# Altium PCB BetaPCB.PcbDoc (part 2 of 2) (continued)
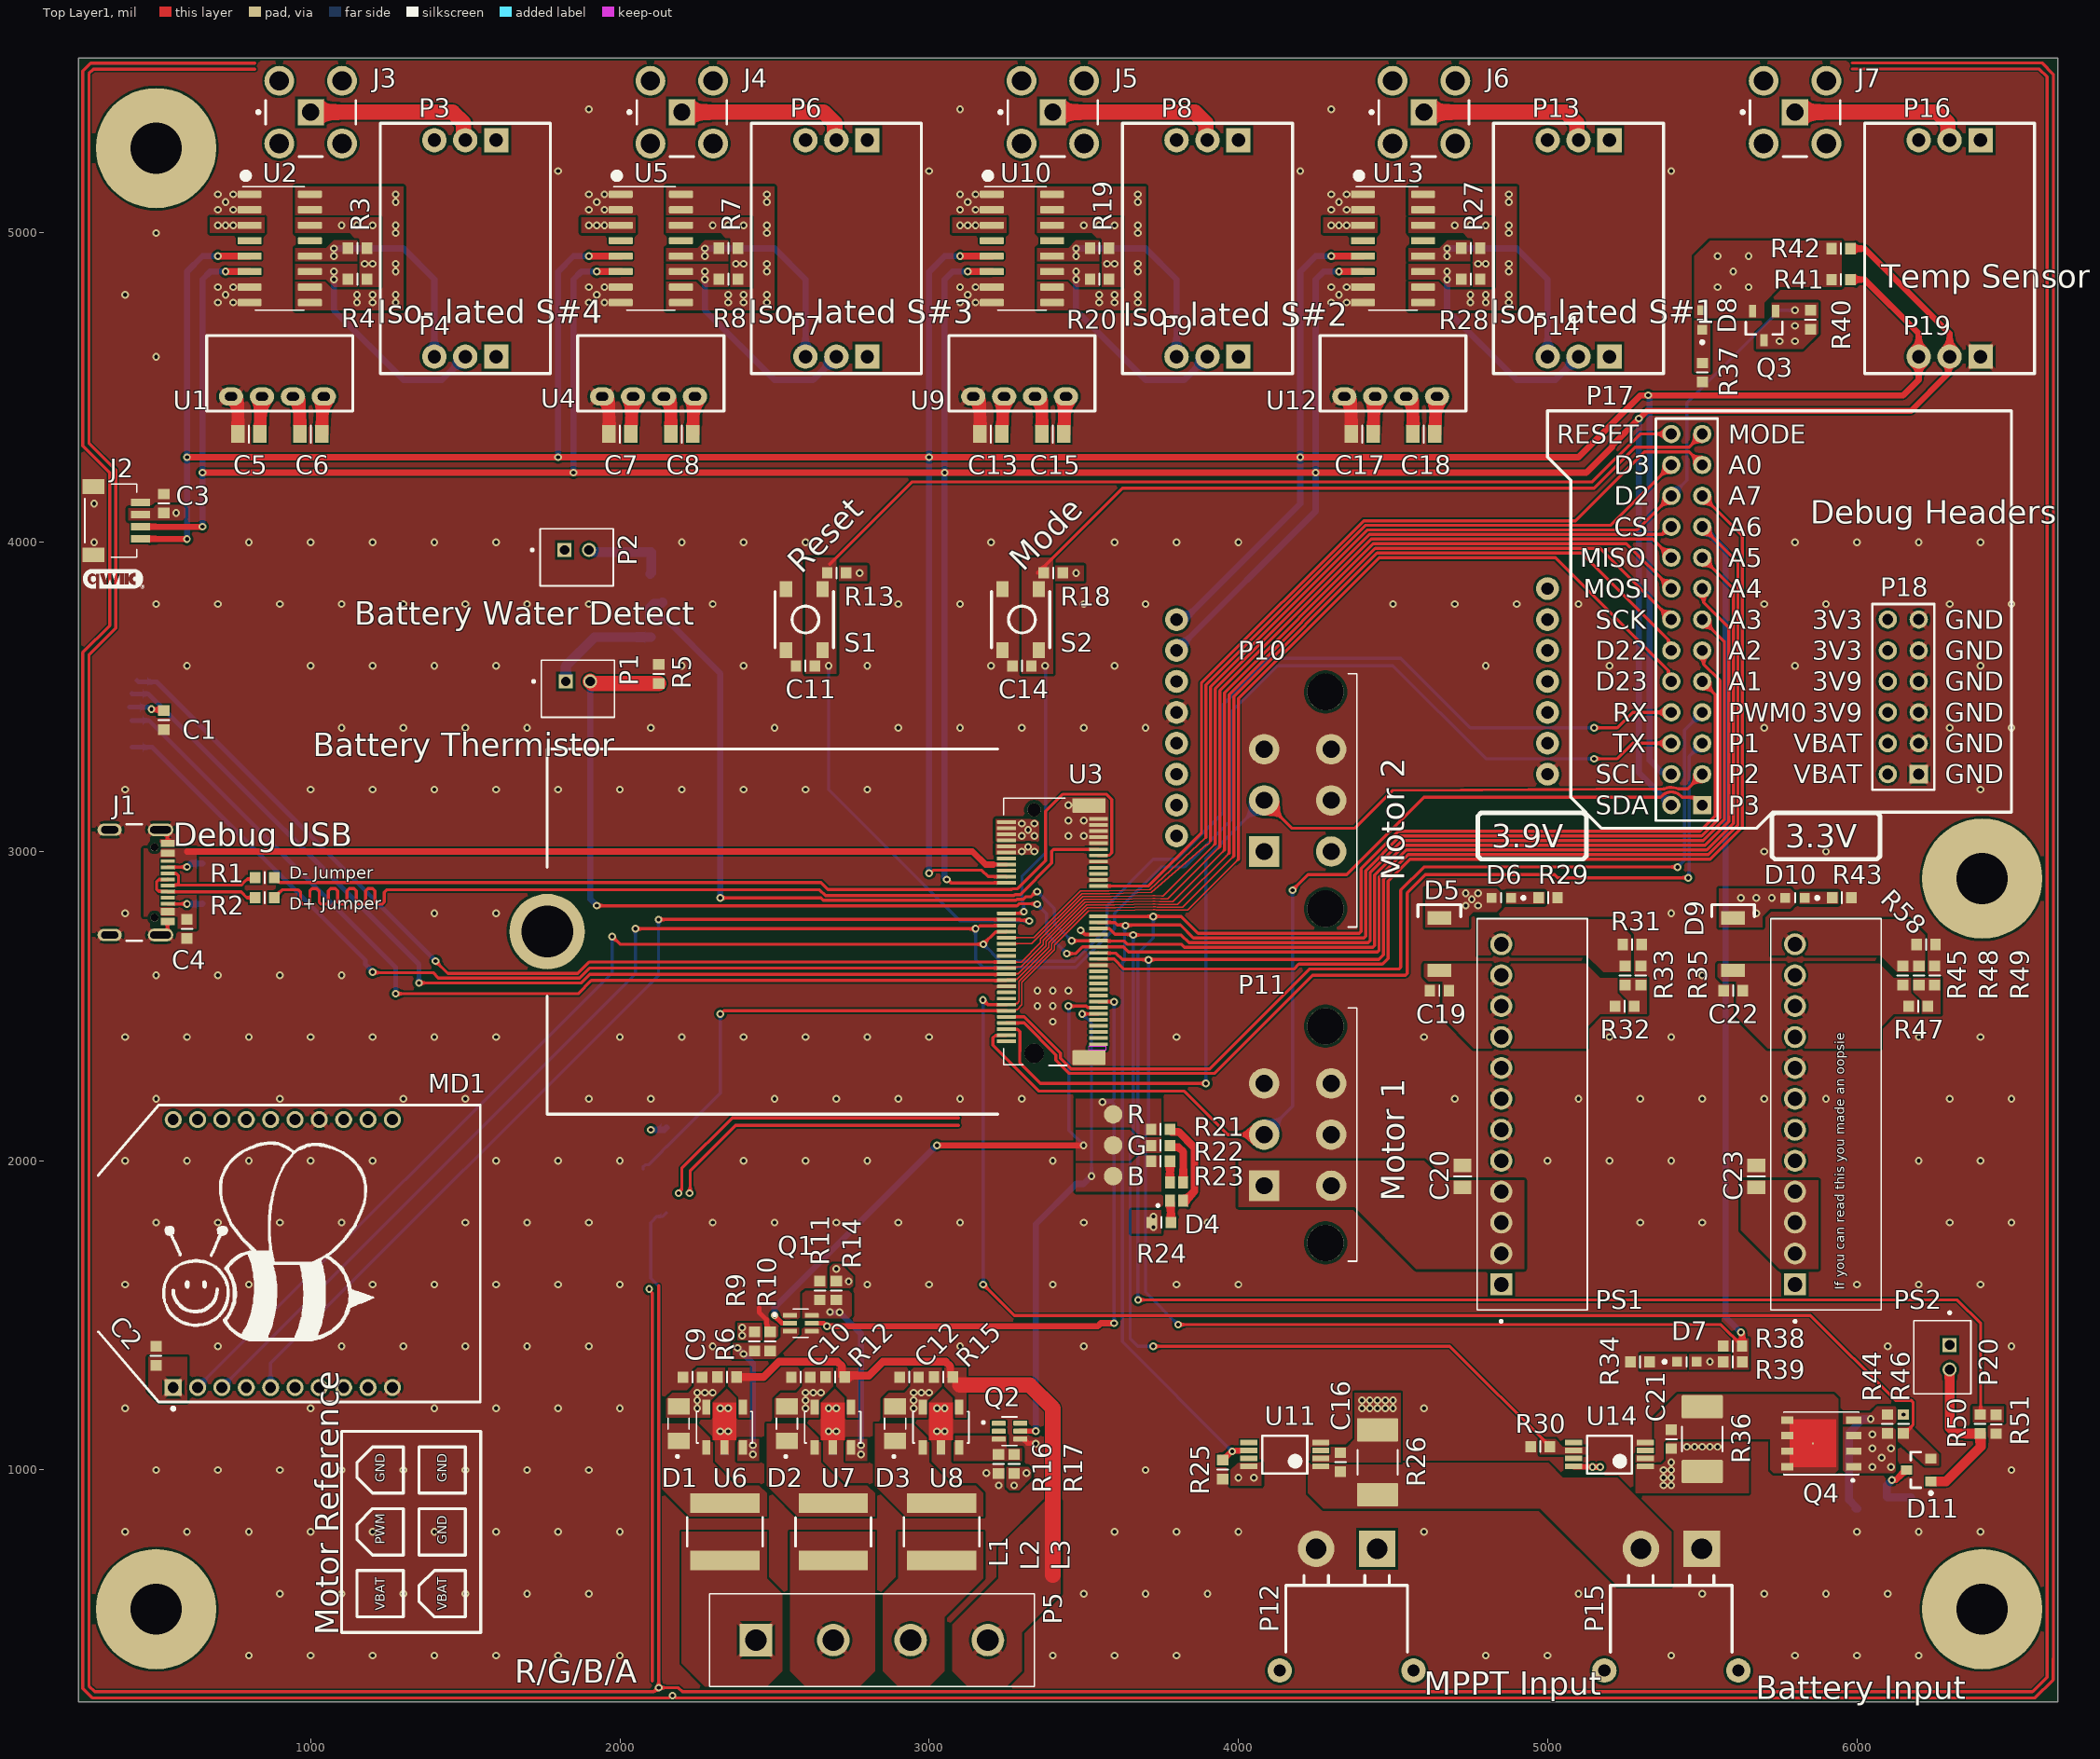
[diagram p0: Top Layer1 view]
## Nets (pads, with @x,y where several pads share a name; then routed paths per layer and width w, separated by ;. In a path a pad name is that pad's centre, name@x,y a point inside that pad or via, vN(x,y) a via of type N, cw(c..) or ccw(c..) an arc to the next point about the centre after c; other vN are vias at no path point) (continued)
SDA: J2.3 P17.2 P19.2 R42.1 U2.6 U3.22 U5.6 U10.6 U13.6 U15.2 | length 13444.3
  Top Layer1 w10: v1(3057.34,2909.2) 3060.05,2909.2 3070.83,2898.43 U3.22@3250,2898.43
  Top Layer1 w20: J2.3@450,4050 v1(650,4050) ; v1(650,4225) v1(1850,4225) v1(3050,4225) v1(4250,4225) 5125,4225 5209.52,4309.52 5209.52,4314.52 v1(5295,4400) 5296.35,4400 5321.35,4425 6175,4425 6295.95,4545.95 6295.95,4595.95 P19.2@6300,4600 6300,4675 6025.63,4949.37 R42.1@5979.45,4949.37
  Top Layer1 w23.23: v1(725,4875) U2.6@802.56,4875 ; v1(1925,4875) U5.6@2002.56,4875 ; v1(3125,4875) U10.6@3202.56,4875 ; v1(4325,4875) U13.6@4402.56,4875
  Bottom Layer4 w20: v1(650,4050) v1(650,4225) 650,4850 675,4875 v1(725,4875) ; v1(1850,4225) 1850,4850 1875,4875 v1(1925,4875) ; v1(3057.34,2909.2) 3050,2916.55 3050,4850 3075,4875 v1(3125,4875) ; U15.2@3800,3650 4250,4100 v1(4250,4225) 4250,4850 4275,4875 v1(4325,4875) ; v1(5295,4400) 5295,3255 P17.2@5400,3150
Solar_Converter: C16.2 P12.1 R26.1 U11.2
  other v1: 4400,1200 4425,1200 4450,1200 4475,1200 4500,1200 4400,1225 4425,1225 4450,1225 4475,1225 4500,1225
TEMP_PRB: J7.1 P16.2 | length 566.8
  Top Layer1 w50: J7.1@5800,5390.55 6259.45,5390.55 6294.5,5355.5 6294.5,5305.5 P16.2@6300,5300
TEMP_PRB_GND: J7.2 J7.3 J7.4 J7.5 P16.3
U_N: R1.2 U3.13 | length 3172.9
  Top Layer1 w10: R1.2@881.97,2915.63 881.97,2914.45 894.09,2902.32 897.63,2902.32 899.95,2900 2650,2900 2672.8,2877.2 3266.28,2877.2 3268.6,2879.52 3285.38,2879.52 3376.22,2970.36 3376.22,3129.82 3431.45,3185.05 3574.18,3185.05 3590.76,3168.47 3590.76,2995.92 3582.62,2987.79 3572.76,2987.79 3571.98,2987.01 U3.13@3547.24,2987.01
U_P: R2.2 U3.11 | length 3178.1
  Top Layer1 w10: R2.2@881.97,2850.63 881.97,2851.81 894.09,2863.94 895.28,2863.94 907.33,2875.99 925,2875.99 960,2875.99 967.5,2868.49 967.5,2836.95 975,2829.45 990,2829.45 997.5,2836.95 997.5,2872.49 1005,2879.99 1020,2879.99 1027.5,2872.49 1027.5,2836.95 1035,2829.45 1050,2829.45 1057.5,2836.95 1057.5,2872.49 1065,2879.99 1080,2879.99 1087.5,2872.49 1087.5,2836.95 1095,2829.45 1110,2829.45 1117.5,2836.95 1117.5,2872.49 1125,2879.99 1140,2879.99 1147.5,2872.49 1147.5,2836.95 1155,2829.45 1170,2829.45 1177.5,2836.95 1177.5,2872.49 1185,2879.99 1200,2879.99 1207.5,2872.49 1207.5,2836.95 1215,2829.45 1230,2829.45 1237.5,2836.95 1237.5,2868.49 1245,2875.99 1300.6,2875.99 2646.17,2875.99 2664.64,2857.52 3274.44,2857.52 3277.73,2860.82 3294.51,2860.82 3395.91,2962.21 3395.91,3000.84 3401.76,3006.69 U3.11@3547.24,3006.69
VBAT: C9.2 C10.2 C12.2 C20.2 C21.1 C23.2 D1.2 D2.2 D3.2 D7.2 P10.1 P10.2 P11.1 P11.2 P18.2 P18.4 PS1.2 PS1.3 PS1.4 PS2.2 PS2.3 PS2.4 R6.1 R12.1 R15.1 R36.1 R39.2 U6.5 U7.5 U8.5 U14.1
  other v1: 5375,950 5400,950 5375,975 5400,975 5375,1000 5400,1000 5400,1025 5450,1075 5475,1075 5500,1075 5525,1075 5550,1075 2250,1200 2600,1200 2950,1200 2250,1225 2600,1225 2950,1225 2250,1250 2275,1250 2300,1250 2600,1250 2625,1250 2650,1250 2950,1250 2975,1250 3000,1250 5525,1350
VSetB: Q2.3 R16.2 R17.1 U8.3
VSetG: Q1.6 R11.2 R14.1 U7.3 | length 519.5
  Bottom Layer4 w20: v1(2679.75,1510.56) 2680.31,1510 v1(2710,1510) 2780,1440 v1(2780,1080) v1(2780,1050)
VSetR: Q1.3 R9.1 R10.2 U6.3 | length 365.7
  Bottom Layer4 w20: v1(2380,1395) v1(2400,1375) 2430,1345 v1(2430,1050)
  other v1: 2430,1080
VUSB: C4.2 J1.A4_B9 J1.B4_A9 U3.16 | length 2670.1
  Top Layer1 w11.5: 3205,2957.48 U3.16@3250,2957.48
  Top Layer1 w20: 600,3000 3140,3000 3182.52,2957.48 3207.5,2957.48
pads on no net: J1. J1.A8 J1.B8 J8.1 J8.8 J8.9 J8.P1 J8.P2 J8.P3 J8.P4 MD1.4 MD1.6 MD1.7 MD1.8 MD1.9 MD1.11 MD1.12 MD1.13 MD1.15 MD1.16 MD1.17 MD1.18 MD1.19 MD1.20 P10. P11. P12.MECH P15.MECH PS1.1 PS2.1 Q2.1 Q2.2 Q2.6 U2.4 U2.13 U3. U3.14 U3.17 U3.18 U3.19 U3.44 U3.46 U3.51 U3.53 U3.55 U3.57 U3.58 U3.59 U3.60 U3.67 U3.69 U3.71 U3.73 U3.74 U3.75 U3.Mech U5.4 U5.13 U10.4 U10.13 U11.3 U11.5 U11.7 U13.4 U13.13 U14.3 U14.5 U14.7 U15.5 U15.6 U15.7 U15.8 U15.10 U15.12 U15.13 U15.14 U15.15

## Polygon pours and split planes (outlines as drawn)
GND on Inner Layer2 "GND_Plane" (solid, pour order 0): 5425,4475 5250,4300 700,4300 250,4300 250,250 6650,250 6650,5175 5425,5175
GND on Inner Layer2 "NONET_L01_P-001" (solid, pour order 165): 4400,4700 4450,4750 4450,5150 4425,5175 4250,5175 4250,4350 4150,4250 4400,4250
ISO_GND_1 on Inner Layer2 "NONET_L01_P-001" (solid, pour order 164): 4500,5075 4600,5175 5275,5175 5350,5100 5350,4500 5200,4350 4500,4350 4500,4675
GND on Inner Layer2 "NONET_L01_P-001" (solid, pour order 153): 3200,4700 3250,4750 3250,5150 3225,5175 3050,5175 3050,4350 2950,4250 3200,4250
ISO_GND_2 on Inner Layer2 "NONET_L01_P-001" (solid, pour order 152): 3300,5075 3400,5175 4075,5175 4150,5100 4150,4500 4000,4350 3300,4350 3300,4675
GND on Inner Layer2 "NONET_L01_P-001" (solid, pour order 141): 2000,4700 2050,4750 2050,5150 2025,5175 1850,5175 1850,4350 1750,4250 2000,4250
ISO_GND_3 on Inner Layer2 "NONET_L01_P-001" (solid, pour order 140): 2100,5075 2200,5175 2875,5175 2950,5100 2950,4500 2800,4350 2100,4350 2100,4675
GND on Inner Layer2 "NONET_L01_P-001" (solid, pour order 49): 800,4700 850,4750 850,5150 825,5175 650,5175 650,4350 550,4250 800,4250
ISO_GND_4 on Inner Layer2 "NONET_L01_P-001" (solid, pour order 46): 900,5075 1000,5175 1675,5175 1750,5100 1750,4500 1600,4350 900,4350 900,4675
TEMP_PRB_GND on Inner Layer2 "NONET_L01_P-001" (solid, pour order 179): 6481.24,5493.76 6400,5575 5625,5575 5556.24,5506.24 5556.24,5243.76 5597.37,5202.63 6431.24,5202.63 6481.24,5252.63
PRB_GND_1 on Inner Layer2 "NONET_L01_P-001" (solid, pour order 166): 5281.24,5493.76 5200,5575 4425,5575 4356.24,5506.24 4356.24,5243.76 4397.37,5202.63 5231.24,5202.63 5281.24,5252.63
PRB_GND_2 on Inner Layer2 "NONET_L01_P-001" (solid, pour order 154): 4081.24,5493.76 4000,5575 3225,5575 3156.24,5506.24 3156.24,5243.76 3197.37,5202.63 4031.24,5202.63 4081.24,5252.63
PRB_GND_3 on Inner Layer2 "NONET_L01_P-001" (solid, pour order 142): 2881.24,5493.76 2800,5575 2025,5575 1956.24,5506.24 1956.24,5243.76 1997.37,5202.63 2831.24,5202.63 2881.24,5252.63
PRB_GND_4 on Inner Layer2 "NONET_L01_P-001" (solid, pour order 53): 1681.24,5493.76 1600,5575 825,5575 756.24,5506.24 756.24,5243.76 797.37,5202.63 1631.24,5202.63 1681.24,5252.63
GND on Top Layer1 "NONET_L01_P-001" (solid, remove dead copper, pour order 202): 250,5575 6650,5575 6650,250 250,250
VUSB on Top Layer1 "NONET_L01_P-001" (solid, pour order 84): 630,2750 570,2750 570,2790 460,2790 460,3010 630,3010
Battery_VCC on Top Layer1 "NONET_L01_P-001" (solid, pour order 3): 5964.06,990 5955,999.18 5955,1140 6115,1140 6125,1130 6125,995.41 6119.59,990
NetQ4_4 on Top Layer1 "NONET_L01_P-001" (solid, pour order 4): 5955,1140 5955,1185 6045,1185 6065,1205 6130,1205 6130,1157.56 6112.44,1140
Batt_Curr_Sense on Top Layer1 "NONET_L01_P-001" (solid, pour order 85): 5940,1100 5940,1000 5930,990 5730,990 5720,1000 5720,1100 5385,1100 5375,1090 5375,1035 5365,1025 5285,1025 5285,1050 5345,1050 5345,1170 5420,1245 5925,1245 5940,1230
3V3 on Top Layer1 "NONET_L01_P-001" (solid, pour order 69): 600,1365 475,1365 475,1255 510,1220 600,1220
A3 on Top Layer1 "NONET_L01_P-001" (solid, pour order 190): 5125,1050 5125,1075 5050,1075 5025,1100 4975,1100 4975,1050
3V3 on Top Layer1 "NONET_L01_P-001" (solid, pour order 108): 4075,1025 4000,1025 3975,1000 3975,950 4075,950
VBAT on Top Layer1 "NONET_L01_P-001" (solid, pour order 105): 4000,2000 4000,1850 4375,1850 4575,1650 4800,1650 4800,1800 4600,2000
NetPS2_12 on Top Layer1 "NONET_L01_P-001" (solid, pour order 99): 6220,2610 6220,2730 6170,2780 5725,2780 5725,2665 6075,2665 6130,2610
NetC22_2 on Top Layer1 "NONET_L01_P-001" (solid, pour order 97): 6073,2637 6120,2590 6175,2590 6175,2542 6202,2515 6202,2475 6120,2475 6075,2430 6075,2363 5712,2363 5610,2465 5610,2580 5565,2580 5550,2595 5550,2635 5552,2637
NetPS1_12 on Top Layer1 "NONET_L01_P-001" (solid, pour order 96): 5270,2610 5270,2730 5220,2780 4775,2780 4775,2665 5125,2665 5180,2610
NetC19_2 on Top Layer1 "NONET_L01_P-001" (solid, pour order 94): 5123,2637 5170,2590 5225,2590 5225,2542 5252,2515 5252,2475 5170,2475 5125,2430 5125,2363 4762,2363 4660,2465 4660,2580 4615,2580 4600,2595 4600,2635 4602,2637
GND on Top Layer1 "NONET_L01_P-001" (solid, pour order 92): 5875,1963 5875,2337 5725,2337 5725,2125 5625,2025 5625,1963
GND on Top Layer1 "NONET_L01_P-001" (solid, pour order 89): 4925,1963 4925,2337 4775,2337 4775,2125 4675,2025 4675,1963
VBAT on Top Layer1 "NONET_L01_P-001" (solid, pour order 88): 5875,1937 5625,1937 5625,1775 5750,1650 5875,1650
VBAT on Top Layer1 "NONET_L01_P-001" (solid, pour order 87): 4650,1937 4650,1800 4800,1650 4925,1650 4925,1937
VBAT on Top Layer1 "NONET_L01_P-001" (solid, pour order 86): 5650,925 5650,1100 5375,1100 5375,1025 5285,1025 5285,925
LED_Anode on Top Layer1 "NONET_L01_P-001" (solid, pour order 60): 3375,900 3425,900 3425,600 3300,475 3300,350 3250,300 3125,300 3075,350 3075,500 3225,650 3225,750
Battery_VCC on Top Layer1 "NONET_L01_P-001" (solid, pour order 59): 4225,925 4275,875 4975,875 5225,625 5400,625 5400,800 5225,975 5050,975 5002,1023 4225,1023
VBAT on Top Layer1 "NONET_L01_P-001" (solid, pour order 56): 2220,1250 2240,1270 2240,1320 2250,1330 2340,1330 2340,1270 2293,1223 2293,1170 2150,1170 2150,1230 2170,1250
VBAT on Top Layer1 "NONET_L01_P-001" (solid, pour order 55): 2920,1250 2940,1270 2940,1320 2950,1330 3040,1330 3040,1270 2993,1223 2993,1170 2850,1170 2850,1230 2870,1250
VBAT on Top Layer1 "NONET_L01_P-001" (solid, pour order 36): 2570,1250 2590,1270 2590,1321.54 2598.46,1330 2690,1330 2690,1270 2643,1223 2643,1170 2500,1170 2500,1230 2520,1250
LED_Anode on Top Layer1 "NONET_L01_P-001" (solid, pour order 35): 3084,1170 3120,1170 3120,1330 3049.83,1330 3049.83,1270.17 3084,1236
LED_Anode on Top Layer1 "NONET_L01_P-001" (solid, pour order 34): 2734,1170 2770,1170 2770,1330 2699.83,1330 2699.83,1270.17 2734,1236
LED_Anode on Top Layer1 "NONET_L01_P-001" (solid, pour order 32): 2384,1170 2420,1170 2420,1330 2349.83,1330 2349.83,1270.17 2384,1236
NetD3_1 on Top Layer1 "NONET_L01_P-001" (solid, pour order 31): 3175,925 3150,950 3075,950 3000,1025 3000,1096.77 2996.77,1100 2946.77,1150 2825,1150 2825,950 2925,850 3175,850
NetD1_1 on Top Layer1 "NONET_L01_P-001" (solid, pour order 30): 2475,925 2450,950 2375,950 2300,1025 2300,1096.77 2296.77,1100 2246.77,1150 2125,1150 2125,950 2225,850 2475,850
NetD2_1 on Top Layer1 "NONET_L01_P-001" (solid, pour order 28): 2825,925 2800,950 2725,950 2650,1025 2650,1096.77 2646.77,1100 2596.77,1150 2475,1150 2475,950 2575,850 2825,850
LED_B on Top Layer1 "NONET_L01_P-001" (solid, pour order 27): 2850,600 2900,650 2900,800 3175,800 3175,650 3050,525 3050,350 3000,300 2900,300 2850,350
LED_R on Top Layer1 "NONET_L01_P-001" (solid, pour order 20): 2475,300 2525,350 2525,600 2475,650 2475,800 2200,800 2200,375 2275,300
LED_G on Top Layer1 "NONET_L01_P-001" (solid, pour order 16): 2550,800 2550,350 2600,300 2775,300 2825,350 2825,800
Solar_Converter on Top Layer1 "NONET_L01_P-001" (solid, pour order 15): 4239,1025 4239,1075 4351,1075 4376,1100 4376,1250 4525,1250 4525,1025
3V8 on Top Layer1 "NONET_L01_P-001" (solid, pour order 117): 3215,3025 3215,3105 3345,3105 3355,3095 3355,3035 3345,3025
3V3 on Top Layer1 "NONET_L01_P-001" (solid, pour order 101): 5785,2815 5800,2830 5800,2865 5785,2880 5555,2880 5555,2755 5695,2755 5695,2790 5720,2815
Mode on Top Layer1 "NONET_L01_P-001" (solid, pour order 107): 3300,3575 3300,3950 3400,3950 3400,3575
D22 on Top Layer1 "NONET_L01_P-001" (solid, pour order 201): 6220,1015 6265,1015 6265,1050 6175,1140 6125,1140 6125,1099.44
A1 on Top Layer1 "NONET_L01_P-001" (solid, pour order 197): 6375,1155 6475,1155 6475,1205 6375,1205
3V3 on Top Layer1 "NONET_L01_P-001" (solid, pour order 196): 5875,4725 5875,4675 5825,4625 5675,4625 5675,4675 5725,4725
VBAT on Top Layer1 "NONET_L01_P-001" (solid, pour order 195): 5600,1325 5600,1375 5450,1375 5450,1325
A6 on Top Layer1 "NONET_L01_P-001" (solid, pour order 193): 5600,1425 5650,1425 5650,1325 5600,1325
NetD7_1 on Top Layer1 "NONET_L01_P-001" (solid, pour order 191): 5450,1325 5450,1375 5300,1375 5300,1325
3V3 on Top Layer1 "NONET_L01_P-001" (solid, pour order 189): 3400,3925 3400,3875 3500,3875 3500,3925
3V3 on Top Layer1 "NONET_L01_P-001" (solid, pour order 188): 2700,3925 2700,3875 2800,3875 2800,3925
3V3 on Top Layer1 "NONET_L01_P-001" (solid, pour order 185): 3750,1840 3655,1840 3655,1765 3750,1765
3V3 on Top Layer1 "NONET_L01_P-001" (solid, pour order 184): 410,4070 410,4110 490,4110 500,4120 585,4120 595,4110 595,4080 585,4070
NetD8_1 on Top Layer1 "NONET_L01_P-001" (solid, pour order 183): 5525,4550 5475,4550 5475,4725 5525,4725
D2 on Top Layer1 "NONET_L01_P-001" (solid, pour order 181): 5725,4725 5875,4725 5875,4775 5725,4775
3V3_S on Top Layer1 "NONET_L01_P-001" (solid, pour order 178): 5950,4825 5950,4975 5525,4975 5475,4925 5475,4725 5700,4725 5700,4775 5750,4825
GND on Top Layer1 "NONET_L01_P-001" (solid, pour order 177): 4450,5150 4300,5150 4275,5125 4275,5075 4300,5050 4450,5050
GND on Top Layer1 "NONET_L01_P-001" (solid, pour order 176): 4450,4850 4300,4850 4275,4825 4275,4775 4300,4750 4450,4750
3V3_S on Top Layer1 "NONET_L01_P-001" (solid, pour order 175): 4450,5000 4450,5050 4275,5050 4275,5000
ISO_GND_1 on Top Layer1 "NONET_L01_P-001" (solid, pour order 174): 4550,4850 4550,4750 4900,4750 4900,5150 4550,5150 4550,5050 4825,5050 4825,4825 4675,4825 4650,4850
ISO_VCC_1 on Top Layer1 "NONET_L01_P-001" (solid, pour order 172): 4726.26,5000 4750,4976.26 4750,4825 4825,4825 4825,5050 4550,5050 4550,5000
ISO_SCL_1 on Top Layer1 "NONET_L01_P-001" (solid, pour order 171): 4750,4976.26 4750,4901.26 4550,4901.26 4550,4951.26 4650,4951.26 4675,4976.26
ISO_SDA_1 on Top Layer1 "NONET_L01_P-001" (solid, pour order 170): 4750,4825 4750,4900 4550,4900 4550,4850 4650,4850 4675,4825
GND on Top Layer1 "NONET_L01_P-001" (solid, pour order 169): 3250,5150 3100,5150 3075,5125 3075,5075 3100,5050 3250,5050
GND on Top Layer1 "NONET_L01_P-001" (solid, pour order 168): 3250,4850 3100,4850 3075,4825 3075,4775 3100,4750 3250,4750
3V3_S on Top Layer1 "NONET_L01_P-001" (solid, pour order 163): 3250,5000 3250,5050 3075,5050 3075,5000
ISO_GND_2 on Top Layer1 "NONET_L01_P-001" (solid, pour order 162): 3350,4850 3350,4750 3700,4750 3700,5150 3350,5150 3350,5050 3625,5050 3625,4825 3475,4825 3450,4850
ISO_VCC_2 on Top Layer1 "NONET_L01_P-001" (solid, pour order 160): 3526.26,5000 3550,4976.26 3550,4825 3625,4825 3625,5050 3350,5050 3350,5000
ISO_SCL_2 on Top Layer1 "NONET_L01_P-001" (solid, pour order 159): 3550,4976.26 3550,4901.26 3350,4901.26 3350,4951.26 3450,4951.26 3475,4976.26
ISO_SDA_2 on Top Layer1 "NONET_L01_P-001" (solid, pour order 158): 3550,4825 3550,4900 3350,4900 3350,4850 3450,4850 3475,4825
GND on Top Layer1 "NONET_L01_P-001" (solid, pour order 157): 2050,5150 1900,5150 1875,5125 1875,5075 1900,5050 2050,5050
GND on Top Layer1 "NONET_L01_P-001" (solid, pour order 156): 2050,4850 1900,4850 1875,4825 1875,4775 1900,4750 2050,4750
3V3_S on Top Layer1 "NONET_L01_P-001" (solid, pour order 151): 2050,5000 2050,5050 1875,5050 1875,5000
ISO_GND_3 on Top Layer1 "NONET_L01_P-001" (solid, pour order 150): 2150,4850 2150,4750 2500,4750 2500,5150 2150,5150 2150,5050 2425,5050 2425,4825 2275,4825 2250,4850
ISO_VCC_3 on Top Layer1 "NONET_L01_P-001" (solid, pour order 148): 2326.26,5000 2350,4976.26 2350,4825 2425,4825 2425,5050 2150,5050 2150,5000
ISO_SCL_3 on Top Layer1 "NONET_L01_P-001" (solid, pour order 147): 2350,4976.26 2350,4901.26 2150,4901.26 2150,4951.26 2250,4951.26 2275,4976.26
ISO_SDA_3 on Top Layer1 "NONET_L01_P-001" (solid, pour order 146): 2350,4825 2350,4900 2150,4900 2150,4850 2250,4850 2275,4825
GND on Top Layer1 "NONET_L01_P-001" (solid, pour order 145): 850,5150 700,5150 675,5125 675,5075 700,5050 850,5050
GND on Top Layer1 "NONET_L01_P-001" (solid, pour order 144): 850,4850 700,4850 675,4825 675,4775 700,4750 850,4750
3V3_S on Top Layer1 "NONET_L01_P-001" (solid, pour order 126): 850,5000 850,5050 675,5050 675,5000
ISO_GND_4 on Top Layer1 "NONET_L01_P-001" (solid, pour order 125): 950,4850 950,4750 1300,4750 1300,5150 950,5150 950,5050 1225,5050 1225,4825 1075,4825 1050,4850
ISO_VCC_4 on Top Layer1 "NONET_L01_P-001" (solid, pour order 120): 1126.26,5000 1150,4976.26 1150,4825 1225,4825 1225,5050 950,5050 950,5000
ISO_SCL_4 on Top Layer1 "NONET_L01_P-001" (solid, pour order 119): 1150,4976.26 1150,4901.26 950,4901.26 950,4951.26 1050,4951.26 1075,4976.26
ISO_SDA_4 on Top Layer1 "NONET_L01_P-001" (solid, pour order 118): 1150,4825 1150,4900 950,4900 950,4850 1050,4850 1075,4825
3V3 on Top Layer1 "NONET_L01_P-001" (solid, pour order 116): 3345,3025 3355,3015 3355,3000 3345,2990 3215,2990 3215,3025
3V3 on Top Layer1 "NONET_L01_P-001" (solid, pour order 109): 2678.58,1586.42 2743.58,1586.42 2753.58,1596.42 2753.58,1626.42 2713.58,1666.42 2688.58,1666.42 2678.58,1656.42
Reset on Top Layer1 "NONET_L01_P-001" (solid, pour order 106): 2600,3575 2600,3950 2700,3950 2700,3575
NetD10_1 on Top Layer1 "NONET_L01_P-001" (solid, pour order 104): 5940,2870 5815,2870 5815,2830 5940,2830
NetD6_1 on Top Layer1 "NONET_L01_P-001" (solid, pour order 103): 4990,2870 4865,2870 4865,2830 4990,2830
3V8 on Top Layer1 "NONET_L01_P-001" (solid, pour order 100): 4835,2805 4850,2820 4850,2865 4835,2880 4605,2880 4605,2755 4745,2755 4745,2790 4760,2805
NetR47_1 on Top Layer1 "NONET_L01_P-001" (solid, pour order 98): 6180,2590 6270,2590 6270,2550 6270,2475 6207.25,2475 6207.25,2517.75 6180,2545
NetR32_1 on Top Layer1 "NONET_L01_P-001" (solid, pour order 95): 5230,2590 5320,2590 5320,2550 5320,2475 5257.25,2475 5257.25,2517.75 5230,2545
GND on Top Layer1 "NONET_L01_P-001" (solid, pour order 82): 3460,3030 3470,3020 3580,3020 3580,3165 3570,3175 3465,3175 3460,3170
VSetG on Top Layer1 "NONET_L01_P-001" (solid, pour order 77): 2730,1100 2730,1030 2800,1030 2800,1100
VSetR on Top Layer1 "NONET_L01_P-001" (solid, pour order 76): 2380,1100 2380,1030 2450,1030 2450,1100
GND on Top Layer1 "NONET_L01_P-001" (solid, pour order 70): 475,1425 475,1375 600,1375 600,1425
3V3 on Top Layer1 "NONET_L01_P-001" (solid, pour order 6): 3250,1010 3250,945 3260,935 3290,935 3330,975 3330,1000 3320,1010
GND on Top Layer1 "NONET_L01_P-001" (solid, pour order 67): 3250,1010 3250,945 3240,935 3210,935 3170,975 3170,1000 3180,1010
MCU_RGBG on Top Layer1 "NONET_L01_P-001" (solid, pour order 10): 3750,2024.92 3675,2024.92 3650,1999.92 3475,1999.92 3475,2100 3650,2100 3675,2075 3750,2075
MCU_RGBB on Top Layer1 "NONET_L01_P-001" (solid, pour order 66): 3750,2024.92 3750,1899.92 3475,1899.92 3475,1999.92 3650,1999.92 3675,2024.92
MCU_RGBR on Top Layer1 "NONET_L01_P-001" (solid, pour order 65): 3750,2075 3750,2200 3475,2200 3475,2100 3650,2100 3675,2075
3V3 on Top Layer1 "NONET_L01_P-001" (solid, pour order 64): 2380,1420 2460,1420 2460,1475 2380,1475
VSetR on Top Layer1 "NONET_L01_P-001" (solid, pour order 62): 2520,1460 2580,1460 2580,1440 2500,1360 2365,1360 2365,1410 2500,1410 2520,1430
VSetG on Top Layer1 "NONET_L01_P-001" (solid, pour order 61): 2590,1490 2590,1570 2600,1580 2740,1580 2750,1570 2750,1500 2740,1490
VSetB on Top Layer1 "NONET_L01_P-001" (solid, pour order 58): 3300,1030 3300,1070 3250,1070 3250,1110 3080,1110 3080,1030
3V3 on Inner Layer3 "NONET_L01_P-001" (solid, pour order 121): 4125,1075 4125,258.16 3308.16,258.16 3300,250 250,250 250,4200 6649.21,4200 6649.21,3599.21 6649.21,1975.79 6650,1975 6645.39,1970.39 5020.39,1970.39
VBAT on Inner Layer3 "NONET_L01_P-001" (solid, pour order 83): 4950,1950 5225,1675 5425,1675 5700,1950 5925,1950 5925,1225 5625,925 4950,925 4525,1350 4375,1350 4000,1725 4000,3100 4375,3100 4375,2350 4775,1950
3V8 on Inner Layer3 "NONET_L01_P-001" (solid, pour order 102): 4925,2775 4925,3400 4700,3625 4675,3600 3875,3600 3875,2950 3875,3300 3175,3300 3175,3050 3190,3035 3375,3035 3375,2825 3425,2775
ISO_VCC_1 on Inner Layer3 "NONET_L01_P-001" (solid, pour order 194): 4500,4425 4500,5150 4525,5175 4825,5175 4825,5400 5375,5400 5375,4425
3V3_S on Inner Layer3 "NONET_L01_P-001" (solid, pour order 192): 4275,5175 4250,5150 4250,4250 4500,4250 4500,5150 4475,5175
ISO_VCC_2 on Inner Layer3 "NONET_L01_P-001" (solid, pour order 186): 3300,4425 3300,5150 3325,5175 3625,5175 3625,5400 4175,5400 4175,4425
3V3_S on Inner Layer3 "NONET_L01_P-001" (solid, pour order 173): 3075,5175 3050,5150 3050,4250 3300,4250 3300,5150 3275,5175
ISO_VCC_3 on Inner Layer3 "NONET_L01_P-001" (solid, pour order 167): 2100,4425 2100,5150 2125,5175 2425,5175 2425,5400 2975,5400 2975,4425
3V3_S on Inner Layer3 "NONET_L01_P-001" (solid, pour order 161): 1875,5175 1850,5150 1850,4250 2100,4250 2100,5150 2075,5175
ISO_VCC_4 on Inner Layer3 "NONET_L01_P-001" (solid, pour order 155): 900,4425 900,5150 925,5175 1225,5175 1225,5400 1775,5400 1775,4425
3V3_S on Inner Layer3 "NONET_L01_P-001" (solid, pour order 143): 675,5175 650,5150 650,4250 900,4250 900,5150 875,5175
3V3_S on Inner Layer3 "NONET_L01_P-001" (solid, pour order 149): 250,4425 5375,4425 5425,4475 5425,5400 6650,5400 6650,4208.94 6641.06,4200 250,4200
Battery_VCC on Inner Layer3 "NONET_L01_P-001" (solid, pour order 115): 5265,865 5640,865 6275,1500 6525,1500 6525,1275 5875,625 5200,625 5200,800
Solar_Converter on Inner Layer3 "NONET_L01_P-001" (solid, pour order 111): 4525,1275 4550,1250 4550,650 4350,650 4350,1250 4375,1275
3V8 on Inner Layer3 "NONET_L01_P-001" (solid, pour order 79): 6150,3400 6150,3600 5950,3600 5575,3225 5400,3050 4800,3050 4800,2875 5525,2875 6050,3400
3V3 on Inner Layer3 "NONET_L01_P-001" (solid, pour order 78): 5200,925 5200,1050 5050,1050 4600,600 4000,600 4000,250 4525,250
3V3 on Inner Layer3 "NONET_L01_P-001" (solid, pour order 68): 5700,4725 5900,4725 5900,4050 5700,4050
VBAT on Inner Layer3 "NONET_L01_P-001" (solid, pour order 110): 2175,1300 2175,1150 4175,1150 4425,1400 4287.5,1537.5 4050,1300
GND on Bottom Layer4 "NONET_L01_P-001" (solid, remove dead copper, pour order 203): 250,5575 6650,5575 6650,250 250,250
"Board Water" on Bottom Layer4 "NONET_L01_P-001" (solid, pour order 187): 2200,1925 2200,1800 2075,1800 2075,1925
3V8 on Bottom Layer4 "NONET_L01_P-001" (solid, pour order 198): 3355,3030 3355,3105 3310,3105 3285,3130 3150,3130 3150,3075 3195,3030
VBAT on Bottom Layer4 "NONET_L01_P-001" (solid, pour order 200): 5725,1950 5725,1650 6075,1650 6150,1725 6150,3400 5975,3400 5975,2075 5850,1950
3V3 on Bottom Layer4 "NONET_L01_P-001" (solid, pour order 199): 3150,2970 3150,3030 3355,3030 3355,2990 3335,2970 3195,2970

## Keep-outs
Top Layer1:
  rectangle: 3514.53,2359 3572.82,2368.68

## Silkscreen, mask and mechanical layers (free items; w line width, h text height)
Top Overlay:
  drawing of 91 lines, arcs and shapes, not listed
  text "Temp Sensor" at 6078.82,4822.03 h75
  text "Iso- lated S#4" at 1216.34,4708.56 h75
  text "Iso- lated S#3" at 2416.34,4708.56 h75
  text "Iso- lated S#1" at 4816.34,4708.56 h75
  text "Iso- lated S#2" at 3627.43,4698.36 h75
  text "RESET" at 5030.06,4320.01 h60
  text "MODE" at 5585,4320.01 h60
  text "D3" at 5215.03,4220.01 h60
  text "A0" at 5585,4220.01 h60
  text "D2" at 5215.03,4120.01 h60
  text "A7" at 5585,4120.01 h60
  text "Debug Headers" at 5850,4060.02 h75
  text "CS" at 5215.03,4020.01 h60
  text "A6" at 5585,4020.01 h60
  text "MISO" at 5105.07,3920.01 h60
  text "A5" at 5585,3920.01 h60
  text "Mode" at 3304.31,3901.3 h75 r45
  text "Reset" at 2586.64,3893.62 h75 r45
  text "MOSI" at 5115.06,3820.01 h60
  text "A4" at 5585,3820.01 h60
  text "Battery Water Detect" at 1141.34,3733.56 h75
  text "SCK" at 5155.05,3720.01 h60
  text "A3" at 5585,3720.01 h60
  text "3V3" at 5855.05,3720.01 h60
  text "GND" at 6285,3720.01 h60
  text "D22" at 5155.05,3620.01 h60
  text "A2" at 5585,3620.01 h60
  text "3V3" at 5855.05,3620.01 h60
  text "GND" at 6285,3620.01 h60
  text "D23" at 5155.05,3520.01 h60
  text "A1" at 5585,3520.01 h60
  text "3V9" at 5855.05,3520.01 h60
  text "GND" at 6285,3520.01 h60
  text "RX" at 5210,3420.01 h60
  text "PWM0" at 5585,3420.01 h60
  text "3V9" at 5855.05,3420.01 h60
  text "GND" at 6285,3420.01 h60
  text "TX" at 5210,3320.01 h60
  text "P1" at 5585,3320.01 h60
  text "VBAT" at 5795.07,3320.01 h60
  text "GND" at 6285,3320.01 h60
  text "Battery Thermistor" at 1007.72,3308.56 h75
  text "SCL" at 5155.05,3220.01 h60
  text "P2" at 5585,3220.01 h60
  text "VBAT" at 5795.07,3220.01 h60
  text "GND" at 6285,3220.01 h60
  text "SDA" at 5155.05,3120.01 h60
  text "P3" at 5585,3120.01 h60
  text "Debug USB" at 555.06,3017.03 h75
  text "3.9V" at 4818.79,3012.51 h75
  text "3.3V" at 5768.79,3012.51 h75
  text "D- Jumper" at 930.05,2911.67 h40
  text "Motor 2" at 4537.49,2906.33 h75 r90
  text "D+ Jumper" at 930.05,2811.67 h40
  text "R" at 3640.01,2120.01 h60
  text "G" at 3640.01,2020.01 h60
  text "B" at 3640.01,1920.01 h60
  text "Motor 1" at 4537.49,1868.82 h75 r90
  text "If you can read this you made an oopsie" at 5960,1582.68 h30 r90
  text "GND" at 1240,960.01 h30 r90
  text "GND" at 1440,960.01 h30 r90
  text "PWM" at 1240,760.01 h30 r90
  text "GND" at 1440,760.01 h30 r90
  text "VBAT" at 1239.99,545.02 h30 r90
  text "VBAT" at 1439.99,545.02 h30 r90
  text "Motor Reference" at 1090.47,466.35 h75 r90
  text "R/G/B/A" at 1660.16,312.51 h75
  text "MPPT Input" at 4600.06,272.03 h75
  text "Battery Input" at 5672.58,259.53 h75
Bottom Overlay:
  text "WaterNet23 Water Bot PCB Made with love Nov 2022" at 3053.72,2227.56 h100
Top Solder:
  rectangle: 3514.67,2880.51 3579.94,3113
  rectangle: 3514.49,2343.36 3572.82,2371.36
  rectangle: 3514.67,3110 3573,3138
  rectangle: 3514.53,2368.68 3579.77,2797.94
  rectangle: 3216.35,2377.64 3281.59,2806.9
  rectangle: 3217.46,2890.37 3282.66,3103.32
  rectangle: 480,3014 558,3070
  rectangle: 480,2730 558,2786
  rectangle: 512.57,2760.2 561.85,3039.8
  rectangle: 3761,1849 3839,1951
  lines w10: 263,293.72 263,3643.51 350,3730.51 350,4225 263,4312 263,5523.51 ; 283,302 283,3635.22 370,3722.22 370,4233.28 283,4320.28 283,5515.22 ; 288.99,5549.5 820,5549.5 ; 293.72,263 2158.94,263 ; 297.28,5529.5 820,5529.5 ; 302,283 2108,283 2125.5,296 ; 2105,318.03 2105,1571.64 ; 2125.5,1596 2125.5,296 ; 2181.06,263 6576.28,263 ; 2185,296 2125.5,296 ; 2189.5,1897.86 2200,1908.36 2200,1975.51 2363.34,2138.85 3095,2138.85 ; 2202,283 6568,283 ; 2227.13,1897.87 2227.13,1967.13 2374.35,2114.35 3095,2114.35 ; 5985,5530 6590,5530 ; 5985,5550 6598.28,5550 ; 6615,330 6615,462.71 ; 6615.36,463.08 6615.36,5504.64 ; 6635,321.72 6635,390 ; 6635.36,390.36 6635.36,5512.92
Bottom Solder:
  rectangle: 843.2,3349.97 884.65,3401.68
  rectangle: 390,3275 470,3615
  lines w10: 263,293.72 263,3643.51 350,3730.51 350,4225 263,4312 263,5523.51 ; 283,302 283,3635.22 370,3722.22 370,4233.28 283,4320.28 283,5515.22 ; 288.99,5549.5 820,5549.5 ; 293.72,263 2158.94,263 ; 297.28,5529.5 820,5529.5 ; 302,283 2108,283 ; 2105,318.03 2105,1571.64 ; 2125.5,1596 2125.5,296 2185,296 ; 2181.06,263 6576.28,263 ; 2189.5,1897.86 2200,1908.36 2200,1975.51 2363.34,2138.85 3095,2138.85 ; 2202,283 6568,283 ; 2227.13,1897.87 2227.13,1967.13 2374.35,2114.35 3095,2114.35 ; 5985,5530 6590,5530 ; 5985,5550 6598.28,5550 ; 6615,330 6615,462.71 ; 6615.36,463.08 6615.36,5504.64 ; 6635,321.72 6635,390 ; 6635.36,390.36 6635.36,5512.92
Mechanical 15:
  the board outline again, w10

## Text inside footprints (layer, text, board x,y; h text height)
J1: Mechanical 13 "PCB EDGE" at 251.57,2687.4 h16 r270